# KiCad board dumbpad.kicad_pcb
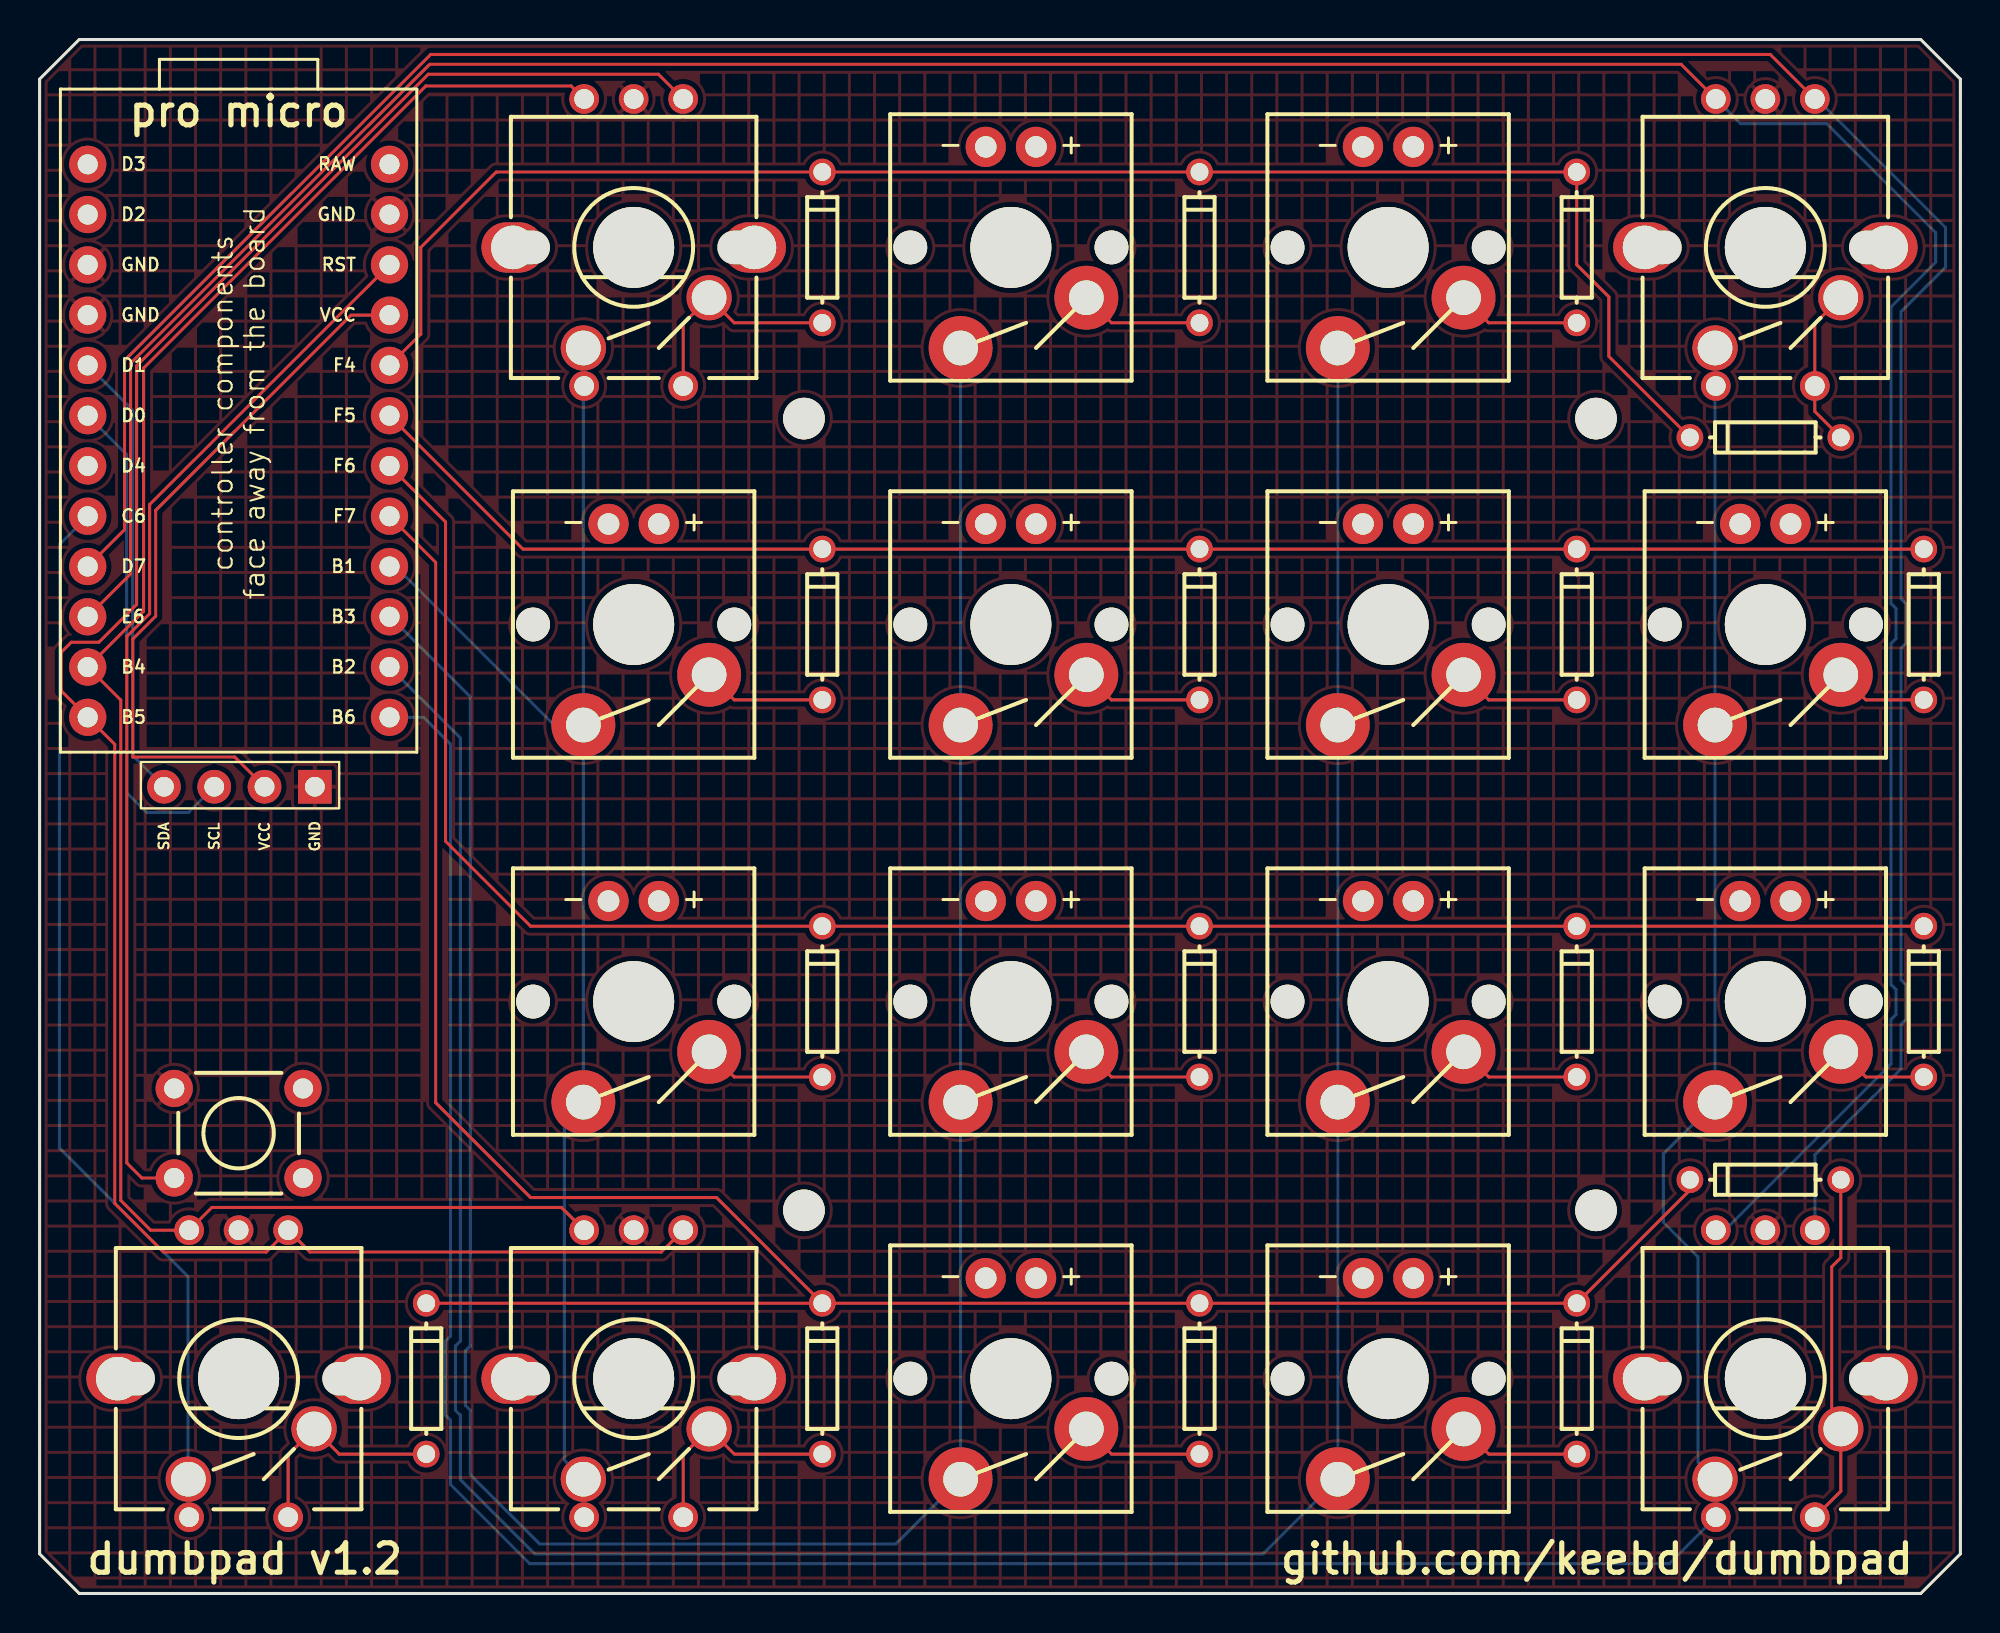
[diagram p0: board, top side]
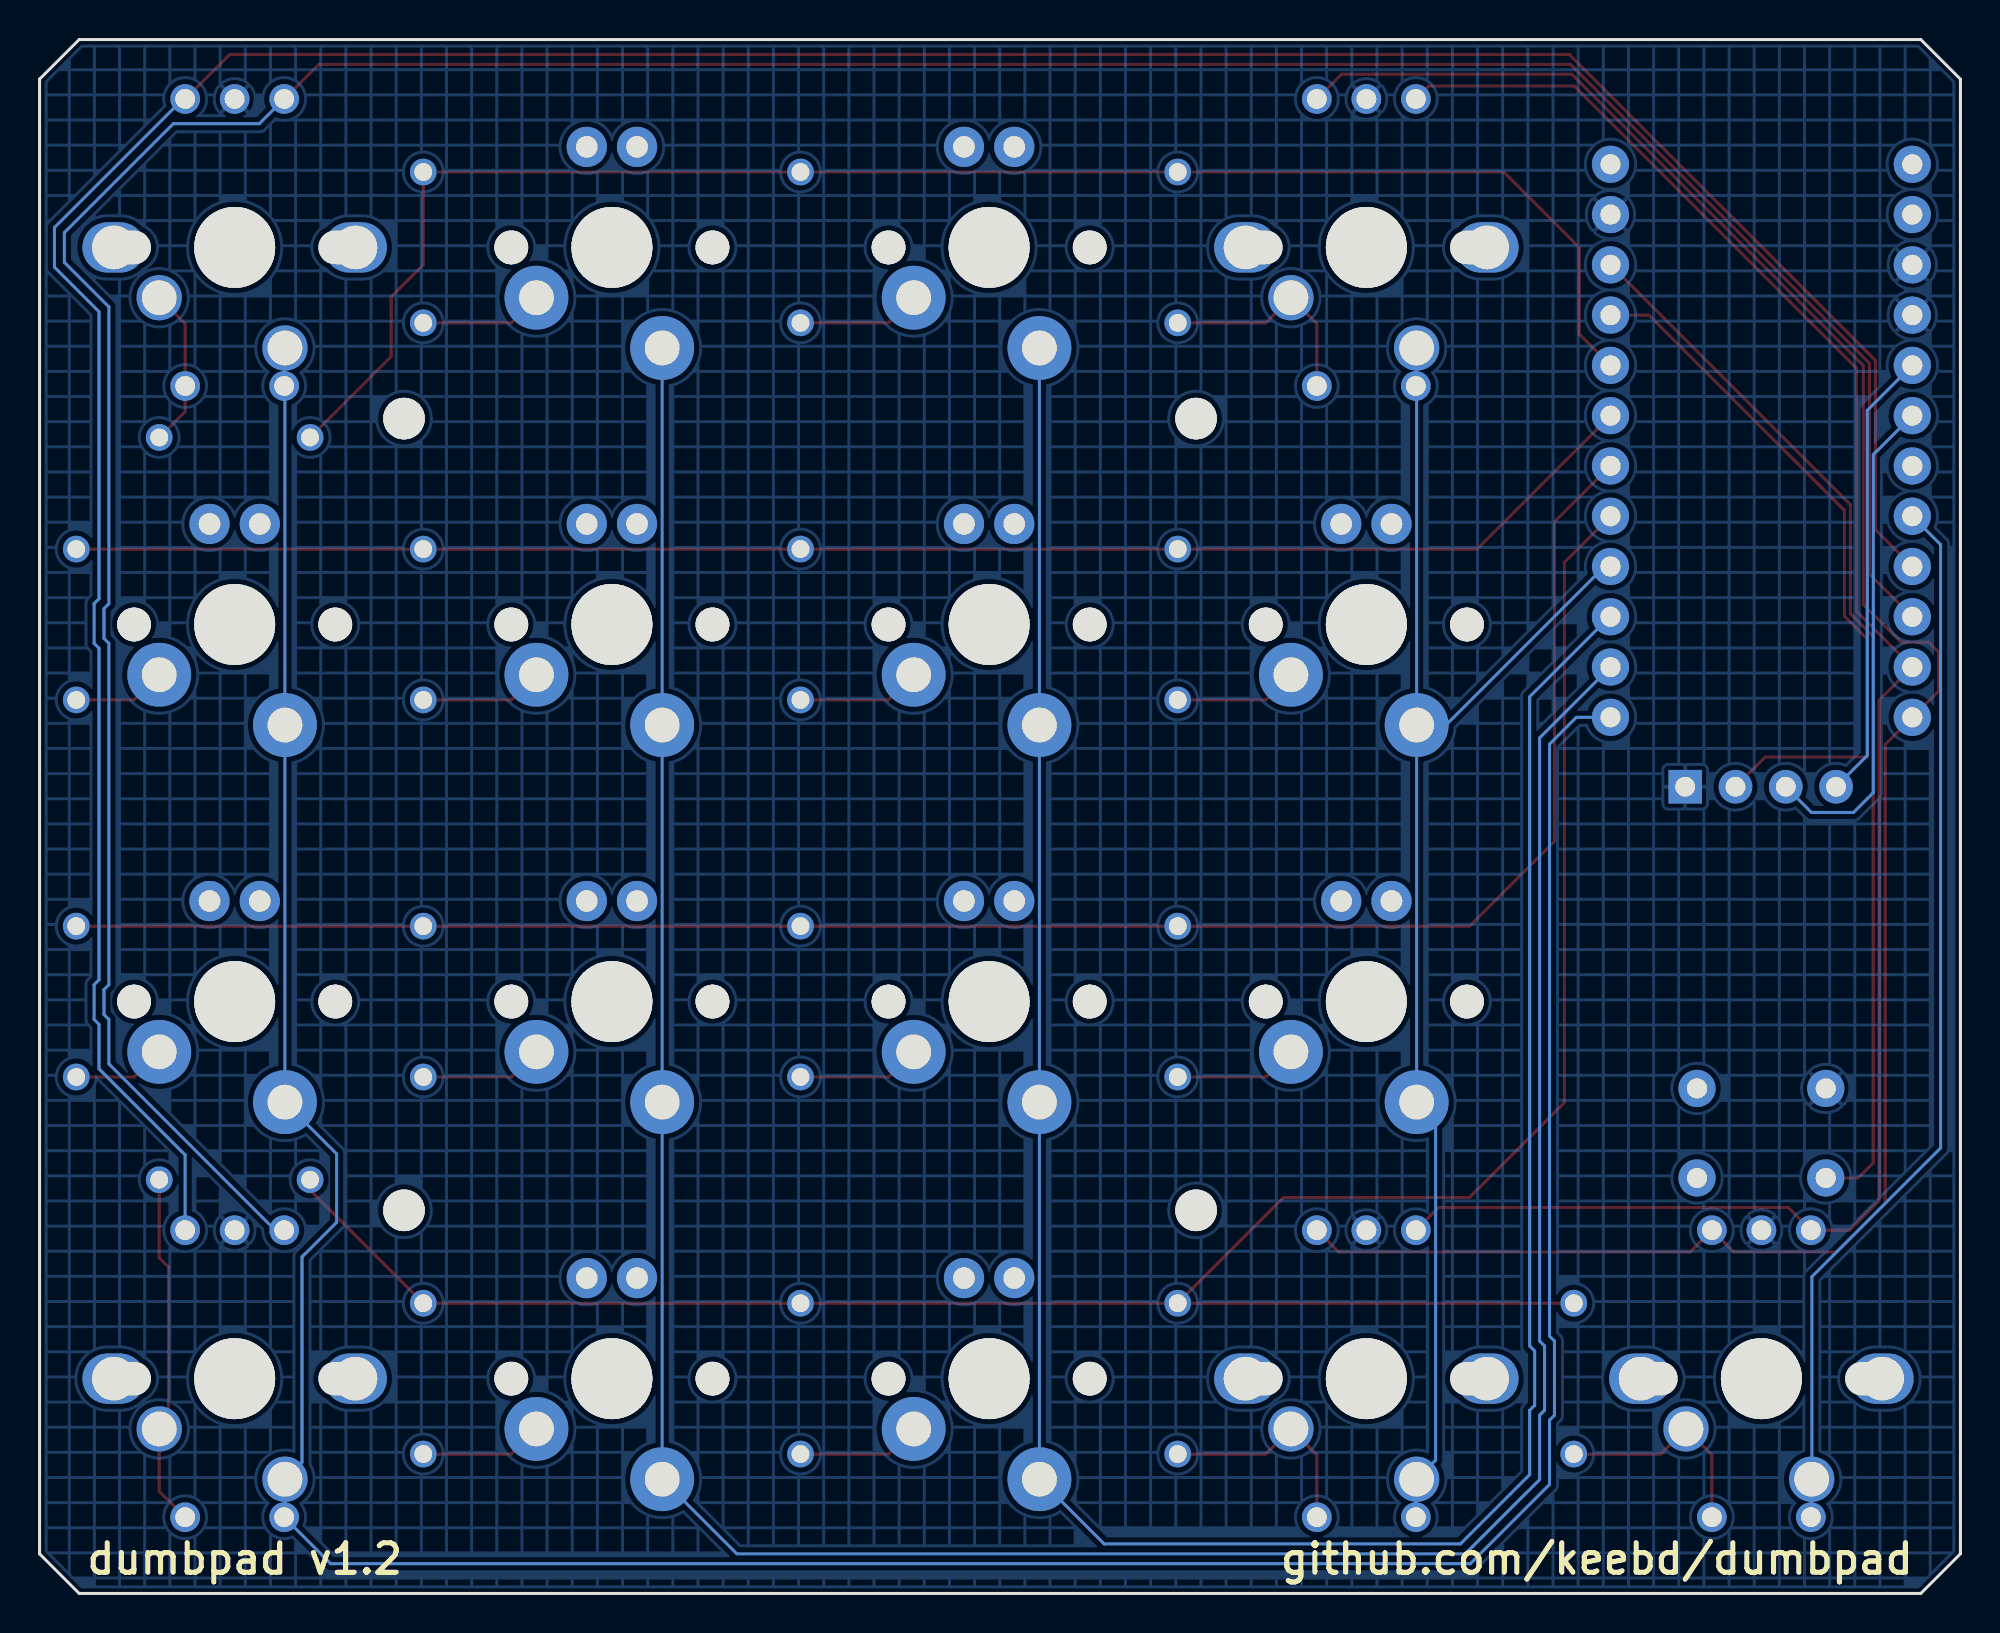
[diagram p1: board, bottom side, seen from below]

Outline 97 x 78.5 mm; copper layers: Top, Bottom. Coordinates in mm from the lower left corner of the outline.
Outline path: 0,76.5 0,2 2,0 95,0 97,2 97,76.5 95,78.5 2,78.5 0,76.5

## Placement (name value [footprint] x y rotation side)
B1  >VALUE  [SPARKFUN_PRO_MICRO]  10.05 59.5 0 top
D1  DIODEDO-1N4148  [DO-1N4148]  39.53 68 90 top
D2  DIODEDO-1N4148  [DO-1N4148]  58.58 68 90 top
D3  DIODEDO-1N4148  [DO-1N4148]  77.63 68 90 top
D4  DIODEDO-1N4148  [DO-1N4148]  87.15 58.4 180 top
D5  DIODEDO-1N4148  [DO-1N4148]  39.53 48.95 90 top
D6  DIODEDO-1N4148  [DO-1N4148]  58.58 48.95 90 top
D7  DIODEDO-1N4148  [DO-1N4148]  77.63 48.95 90 top
D8  DIODEDO-1N4148  [DO-1N4148]  95.15 48.95 90 top
D9  DIODEDO-1N4148  [DO-1N4148]  39.53 29.9 90 top
D10  DIODEDO-1N4148  [DO-1N4148]  58.58 29.9 90 top
D11  DIODEDO-1N4148  [DO-1N4148]  77.63 29.9 90 top
D12  DIODEDO-1N4148  [DO-1N4148]  95.15 29.9 90 top
D13  DIODEDO-1N4148  [DO-1N4148]  39.53 10.85 90 top
D14  DIODEDO-1N4148  [DO-1N4148]  58.58 10.85 90 top
D15  DIODEDO-1N4148  [DO-1N4148]  77.63 10.85 90 top
D16  DIODEDO-1N4148  [DO-1N4148]  87.15 20.9 180 top
D20  DIODEDO-1N4148  [DO-1N4148]  19.53 10.85 90 top
J1  Conn_01x04_Female  [OLED]  4.1 39.15 90 top
RE_0_1  Val**  [CHERRY-MX-ENCODER]  30 68 0 top
RE_0_4  Val**  [CHERRY-MX-ENCODER]  87.15 68 0 top
RE_3_0  Val**  [CHERRY-MX-ENCODER]  10.05 10.85 0 top
RE_3_1  Val**  [CHERRY-MX-ENCODER]  30 10.85 0 top
RE_3_4  Val**  [CHERRY-MX-ENCODER]  87.15 10.85 0 top
REF**  -  [MountingHole_2.1mm]  78.6 59.35 0 top
REF**#2  -  [MountingHole_2.1mm]  78.6 19.35 0 top
REF**#3  -  [MountingHole_2.1mm]  38.6 59.35 0 top
REF**#4  -  [MountingHole_2.1mm]  38.6 19.35 0 top
S2  MOMENTARY-SWITCH-SPST-LED-PTH-CHERRY  [CHERRY-MX-LED]  49.05 68 180 top
S3  MOMENTARY-SWITCH-SPST-LED-PTH-CHERRY  [CHERRY-MX-LED]  68.1 68 180 top
S5  MOMENTARY-SWITCH-SPST-LED-PTH-CHERRY  [CHERRY-MX-LED]  30 48.95 180 top
S6  MOMENTARY-SWITCH-SPST-LED-PTH-CHERRY  [CHERRY-MX-LED]  49.05 48.95 180 top
S7  MOMENTARY-SWITCH-SPST-LED-PTH-CHERRY  [CHERRY-MX-LED]  68.1 48.95 180 top
S8  MOMENTARY-SWITCH-SPST-LED-PTH-CHERRY  [CHERRY-MX-LED]  87.15 48.95 180 top
S9  MOMENTARY-SWITCH-SPST-LED-PTH-CHERRY  [CHERRY-MX-LED]  30 29.9 180 top
S10  MOMENTARY-SWITCH-SPST-LED-PTH-CHERRY  [CHERRY-MX-LED]  49.05 29.9 180 top
S11  MOMENTARY-SWITCH-SPST-LED-PTH-CHERRY  [CHERRY-MX-LED]  68.1 29.9 180 top
S12  MOMENTARY-SWITCH-SPST-LED-PTH-CHERRY  [CHERRY-MX-LED]  87.15 29.9 180 top
S14  MOMENTARY-SWITCH-SPST-LED-PTH-CHERRY  [CHERRY-MX-LED]  49.05 10.85 180 top
S15  MOMENTARY-SWITCH-SPST-LED-PTH-CHERRY  [CHERRY-MX-LED]  68.1 10.85 180 top
S17  MOMENTARY-SWITCH-SPST-PTH-6.0MM  [TACTILE_SWITCH_PTH_6.0MM]  10.05 23.25 0 top

## Footprints (pads in the part's own frame, mm; a bottom-side part is the same pattern mirrored in y, then rotated)
CHERRY-MX-ENCODER
  round 4.089 hole 4.089 unplated: (0,0)
  round 1.5 hole 1: A(2.5,7.5) B(-2.5,7.5) C(0,7.5) D(2.5,-7) E(-2.5,-7)
  oval 3.175x2.54 hole 2.2: CASE1(-6.1,0) CASE2(6.1,0)
  round 2.286 hole 1.753: S1(3.81,-2.54) S2(-2.54,-5.08)
CHERRY-MX-LED
  round 1.707 hole 1.707 unplated: (-5.08,0) (5.08,0)
  round 4.089 hole 4.089 unplated: (0,0)
  round 2.032 hole 1.092: A(-1.27,-5.08) K(1.27,-5.08)
  round 3.226 hole 1.753: S1(-3.81,2.54) S2(2.54,5.08)
DO-1N4148
  round 1.35 hole 0.9: A(-3.81,0) C(3.81,0)
MountingHole_2.1mm
  round 2.1 hole 2.1 unplated: (0,0)
OLED
  rect 1.7x1.7 hole 1: 1(1.6,-9.8)
  oval 1.7x1.7 hole 1: 2(1.6,-7.26) 3(1.6,-4.72) 4(1.6,-2.18)
SPARKFUN_PRO_MICRO
  round 1.88 hole 1.016: 1(-7.62,12.7) 2(-7.62,10.16) 3(-7.62,7.62) 4(-7.62,5.08) 5(-7.62,2.54) 6(-7.62,0) 7(-7.62,-2.54) 8(-7.62,-5.08) 9(-7.62,-7.62) 10(-7.62,-10.16) 11(-7.62,-12.7) 12(-7.62,-15.24) 13(7.62,-15.24) 14(7.62,-12.7) 15(7.62,-10.16) 16(7.62,-7.62) 17(7.62,-5.08) 18(7.62,-2.54) 19(7.62,0) 20(7.62,2.54) 21(7.62,5.08) 22(7.62,7.62) 23(7.62,10.16) 24(7.62,12.7)
TACTILE_SWITCH_PTH_6.0MM
  round 1.88 hole 1.016: 1(-3.251,2.261) 2(3.251,2.261) 3(-3.251,-2.261) 4(3.251,-2.261)

## Nets
GND: B1.3 B1.4 B1.23 J1.1 RE_0_1.C RE_0_4.C RE_3_0.C RE_3_1.C RE_3_4.C S17.1
VCC: B1.21 J1.2
/COL0: B1.8 RE_3_0.E RE_3_0.S2
/COL1: B1.16 RE_0_1.E RE_0_1.S2 RE_3_1.E RE_3_1.S2 S5.S2 S9.S2
/COL2: B1.15 S2.S2 S6.S2 S10.S2 S14.S2
/COL3: B1.14 S3.S2 S7.S2 S11.S2 S15.S2
/COL4: B1.13 RE_0_4.E RE_0_4.S2 RE_3_4.E RE_3_4.S2 S8.S2 S12.S2
/ENCODER0_L0: B1.11 RE_0_1.B RE_3_0.B RE_3_1.B
/ENCODER0_L1: B1.12 RE_0_1.A RE_3_0.A RE_3_1.A
/ENCODER1_L0: B1.10 RE_0_4.B RE_3_4.B
/ENCODER1_L1: B1.9 RE_0_4.A RE_3_4.A
/NC/RX/D2: B1.2
/NC/TX/D3: B1.1
/RAW: B1.24
/RESET: B1.22 S17.3
/ROW0: B1.20 D1.C D2.C D3.C D4.C
/ROW1: B1.19 D5.C D6.C D7.C D8.C
/ROW2: B1.18 D9.C D10.C D11.C D12.C
/ROW3: B1.17 D13.C D14.C D15.C D16.C D20.C
SCL: B1.6 J1.3
SDA: B1.5 J1.4
Net-(D1-PadA): D1.A RE_0_1.D RE_0_1.S1
Net-(D2-PadA): D2.A S2.S1
Net-(D3-PadA): D3.A S3.S1
Net-(D4-PadA): D4.A RE_0_4.D RE_0_4.S1
Net-(D5-PadA): D5.A S5.S1
Net-(D6-PadA): D6.A S6.S1
Net-(D7-PadA): D7.A S7.S1
Net-(D8-PadA): D8.A S8.S1
Net-(D9-PadA): D9.A S9.S1
Net-(D10-PadA): D10.A S10.S1
Net-(D11-PadA): D11.A S11.S1
Net-(D12-PadA): D12.A S12.S1
Net-(D13-PadA): D13.A RE_3_1.D RE_3_1.S1
Net-(D14-PadA): D14.A S14.S1
Net-(D15-PadA): D15.A S15.S1
Net-(D16-PadA): D16.A RE_3_4.D RE_3_4.S1
Net-(D20-PadA): D20.A RE_3_0.D RE_3_0.S1

Pads without a net: B1 7; RE_0_1 CASE1 CASE2; RE_0_4 CASE1 CASE2; RE_3_0 CASE1 CASE2; RE_3_1 CASE1 CASE2; RE_3_4 CASE1 CASE2; S2 A K; S3 A K; S5 A K; S6 A K; S7 A K; S8 A K; S9 A K; S10 A K; S11 A K; S12 A K; S14 A K; S15 A K; S17 2 4

## Routing (per net, layer and track width the routed paths; a pad name or vN(x,y) marks a point on that pad's centre or on a via; arc(x,y) is an arc through that point)
VCC: length 36.5
  Top w0.152: B1.21 15.73,64.58 5.86,54.72 5.86,49.37 4.71,48.22 4.71,42.25 9.86,42.25 J1.2
  Top w0.25: 11.02,40.85 11.38,40.85
/COL0: length 53.9
  Bottom w0.152: B1.8 1,52.99 1,22.5 7.5,16 7.5,5.78 RE_3_0.S2 7.51,3.89 RE_3_0.E
/COL1: length 73
  Bottom w0.152: RE_0_1.S2 27.46,61.04 RE_0_1.E 27.46,60.96 S5.S2 ; B1.16 17.97,51.88 25.98,43.87 S5.S2 ; S5.S2 S9.S2 26.5,23.86 26.5,6.73 RE_3_1.S2 27.5,5.73 RE_3_1.E
/COL2: length 130
  Bottom w0.152: S2.S2 S6.S2 S10.S2 S14.S2 43.24,2.5 25.25,2.5 21.75,6 21.75,9.25 21.5,9.5 21.5,12.25 21.75,12.5 21.75,45.3 17.71,49.34 B1.15
/COL3: length 147
  Bottom w0.152: S3.S2 S7.S2 S11.S2 S15.S2 61.79,2 25,2 21.25,5.75 21.25,9 21,9.25 21,12.5 21.25,12.75 21.25,43.22 17.89,46.58
/COL4: length 169.1
  Bottom w0.152: B1.13 19.39,44.26 20.75,42.9 20.75,13 20.5,12.75 20.5,9 20.75,8.75 20.75,5.5 24.75,1.5 82.3,1.5 RE_3_4.E 84.61,3.89 RE_3_4.S2 83.75,6.63 83.75,17 82,18.75 82,22.21 S12.S2 S8.S2 84.61,60.96 RE_0_4.E 84.65,62.88 RE_0_4.S2
/ENCODER0_L0: length 97.3
  Top w0.152: RE_0_1.B 26.85,76.15 19.5,76.15 5.25,61.91 5.25,49.62 B1.11 4.1,45.13 4.1,19.85 5.6,18.35 RE_3_0.B 8.7,19.5 26.35,19.5 RE_3_1.B
/ENCODER0_L1: length 111.1
  Top w0.152: RE_0_1.A 31.25,76.75 19.63,76.75 4.9,62.02 4.9,49.96 3,48.05 1.6,48.05 1.1,47.55 1.1,45.59 B1.12 3.79,42.9 3.79,19.71 6.25,17.25 11.45,17.25 RE_3_0.A 13.65,17.25 31.4,17.25 RE_3_1.A
/ENCODER1_L0: length 170.3
  Top w0.152: RE_0_4.B 82.9,77.25 19.7,77.25 4.59,62.15 4.59,51.5 B1.10
  Bottom w0.152: RE_3_4.B 85.1,18.35 93.5,26.75 93.5,29 93.75,29.25 93.75,30.5 93.5,30.75 93.5,48 93.75,48.25 93.75,49.75 93.5,50 93.5,65 95.75,67.25 95.75,68.75 90.25,74.25 85.9,74.25 RE_0_4.B
/ENCODER1_L1: length 167
  Top w0.152: B1.9 4.29,53.74 4.29,62.29 19.75,77.75 87.4,77.75 RE_0_4.A
  Bottom w0.152: RE_3_4.A 89.65,22.15 94,26.5 94,28.75 94.25,29 94.25,30.75 94,31 94,47.75 94.25,48 94.25,50 94,50.25 94,64.75 96.25,67 96.25,69 89.75,75.5 RE_0_4.A
/RESET: length 53.6
  Top w0.152: B1.22 5.56,55.01 5.56,49.5 4.4,48.34 4.4,21.75 5.16,20.99 S17.3
/ROW0: length 82.3
  Top w0.152: D4.C 79.25,62.49 79.25,65.5 77.63,67.12 D3.C D2.C D1.C 23.06,71.81 19.25,68 19.25,63.62 B1.20
/ROW1: length 80.3
  Top w0.152: D8.C D7.C D6.C D5.C 24.41,52.76 B1.19
/ROW2: length 96.6
  Top w0.152: D12.C D11.C D10.C D9.C 24.79,33.71 20.5,38 20.5,54.13 B1.18
/ROW3: length 121
  Top w0.152: D13.C D20.C ; D13.C D14.C D15.C 83.34,20.38 D16.C ; D13.C 34.19,20 24.8,20 20,24.8 20,52.09 B1.17
SCL: length 25.5
  Top w0.152: 8.6,40.85 8.84,40.85
  Bottom w0.152: B1.6 4.4,57.53 4.4,40.45 5.4,39.45 7.52,39.45 J1.3
SDA: length 22.9
  Bottom w0.152: B1.5 4.7,59.77 4.7,42.33 J1.4
Net-(D1-PadA): length 11.2
  Top w0.152: RE_0_1.D 32.5,64.15 RE_0_1.S1 35.08,64.19 D1.A
Net-(D2-PadA): length 6.2
  Top w0.152: D2.A 54.13,64.19 S2.S1
Net-(D3-PadA): length 6.2
  Top w0.152: S3.S1 73.18,64.19 D3.A
Net-(D4-PadA): length 8.1
  Top w0.152: RE_0_4.S1 89.65,64.15 RE_0_4.D 89.65,59.71 D4.A
Net-(D5-PadA): length 6.2
  Top w0.152: S5.S1 35.08,45.14 D5.A
Net-(D6-PadA): length 6.2
  Top w0.152: S6.S1 54.13,45.14 D6.A
Net-(D7-PadA): length 6.2
  Top w0.152: S7.S1 73.18,45.14 D7.A
Net-(D8-PadA): length 4.7
  Top w0.152: D8.A 92.23,45.14 S8.S1
Net-(D9-PadA): length 6.2
  Top w0.152: D9.A 35.08,26.09 S9.S1
Net-(D10-PadA): length 6.2
  Top w0.152: D10.A 54.13,26.09 S10.S1
Net-(D11-PadA): length 6.2
  Top w0.152: D11.A 73.18,26.09 S11.S1
Net-(D12-PadA): length 4.7
  Top w0.152: D12.A 92.23,26.09 S12.S1
Net-(D13-PadA): length 11.2
  Top w0.152: D13.A 35.08,7.04 RE_3_1.S1 32.5,7 RE_3_1.D
Net-(D14-PadA): length 6.2
  Top w0.152: D14.A 54.13,7.04 S14.S1
Net-(D15-PadA): length 6.2
  Top w0.152: D15.A 73.18,7.04 S15.S1
Net-(D16-PadA): length 18
  Top w0.152: RE_3_4.D 90.96,5.16 RE_3_4.S1 90.5,8.77 90.5,16.5 90.96,16.96 D16.A
Net-(D20-PadA): length 11.2
  Top w0.152: D20.A 15.13,7.04 RE_3_0.S1 12.55,7 RE_3_0.D

## Copper pours and planes (outline as drawn; the poured copper is in the pictures)
GND on Top: 97.08,76.53 97.08,1.97 95.03,-0.08 1.97,-0.08 -0.08,1.97 -0.08,76.53 1.97,78.58 95.03,78.58
GND on Bottom: 97.08,76.53 97.08,1.97 95.03,-0.08 1.97,-0.08 -0.08,1.97 -0.08,76.53 1.97,78.58 95.03,78.58

## Text on the board
B.Silkscreen: dumbpad v1.2 | github.com/keebd/dumbpad
F.Silkscreen: SDA | SCL | VCC | GND | D3 | D2 | D1 | D0 | D4 | C6 | D7 | E6 | B4 | B5 | RAW | RST | F4 | F5 | F6 | F7 | B1 | B3 | B2 | B6 | controller components / face away from the board | dumbpad v1.2 | pro micro | github.com/keebd/dumbpad
